# Altium PCB uTCA_MCH_PCB3.pcbdoc (part 16 of 25)
Units mil, origin at the board's own origin, x right, y up, seen from the top; angles counter-clockwise.
Board outline 7110.66 x 2894.12 mil, 12 copper layers (Top Layer, GND1, MidLayer1, PWR1, MidLayer2, GND2, PWR2, MidLayer3, GND3, MidLayer4, PWR3, Bottom Layer), stack 63.15 mil thick; 767 components, 905 nets, 4553 pads, 2832 vias.
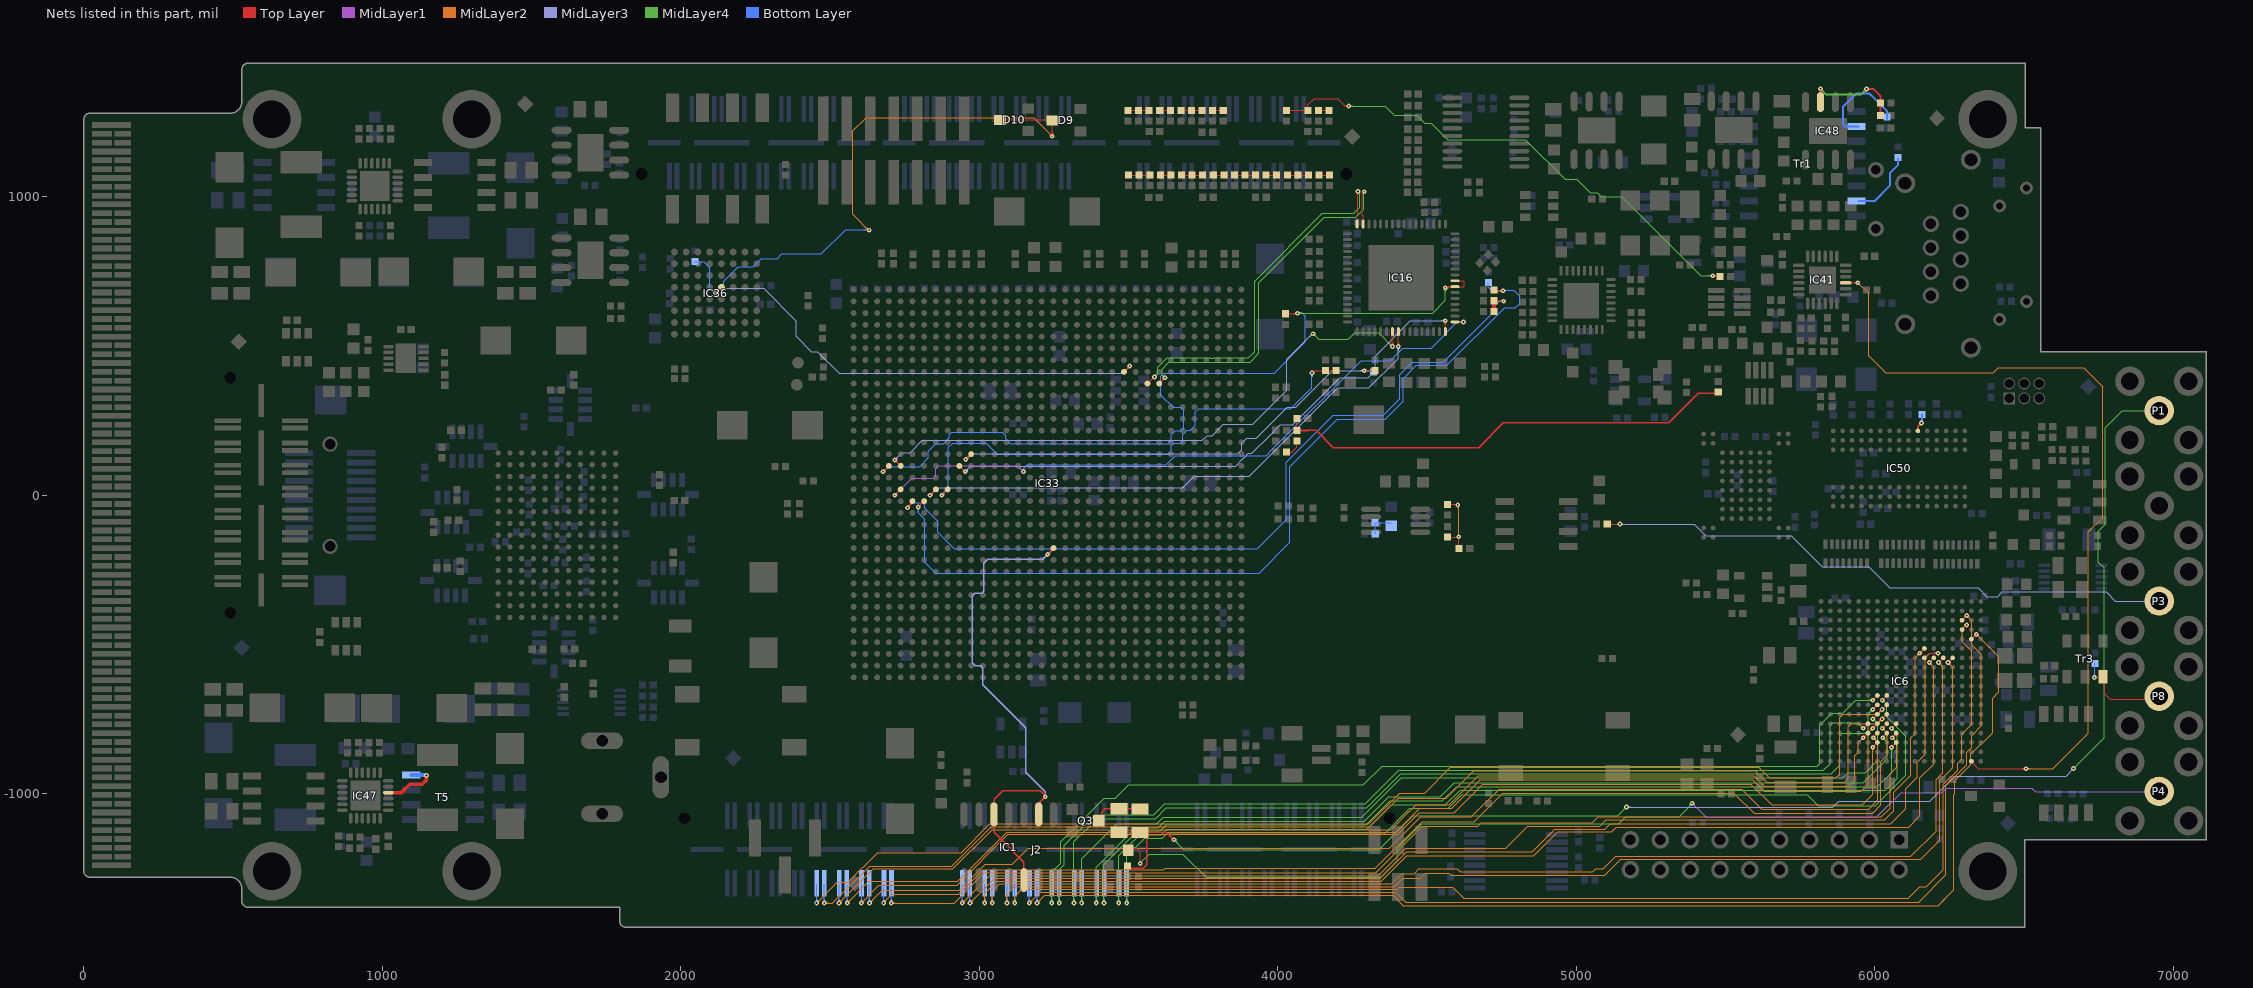
[diagram p26: the nets of this part, all layers, seen from the top]

## Via types
v1: diameter 15.75, hole 5.91, Top Layer to Bottom Layer, tented both sides, 2480 vias
v2: diameter 23.62, hole 11.81, Top Layer to Bottom Layer, tented both sides, 325 vias
v3: diameter 20, hole 10, Top Layer to Bottom Layer, tented both sides, 16 vias
v4: diameter 15.75, hole 7.87, Top Layer to Bottom Layer, tented both sides, 9 vias
v5: diameter 23.62, hole 11.81, Top Layer to Bottom Layer, 1 vias
v6: diameter 15.75, hole 5.91, Top Layer to Bottom Layer, 1 vias

## Nets (pads, with @x,y where several pads share a name; then routed paths per layer and width w, separated by ;. In a path a pad name is that pad's centre, name@x,y a point inside that pad or via, vN(x,y) a via of type N, cw(c..) or ccw(c..) an arc to the next point about the centre after c; other vN are vias at no path point) (continued)
NetIC47_22: IC47.22 T5.4 | length 214.4
  Top Layer w11.81: IC47.22@1019.68,-996.06 1064.13,-996.06 1091.69,-968.5 1133.31,-968.5 1147.64,-954.17 v1@1147.64,-942.91
  Bottom Layer w12.6: T5.4@1096.46,-936.81 v1@1145.47,-936.81 ; 1138.61,-936.81 cw(c1138.61,-948.01) v1@1146.52,-940.09
  other v1: 1147.64,-938.98
NetIC48_7: IC48.7 R236.2 R237.1 | length 412.5
  Top Layer w6.89: v1@5814.73,1358.48 cw(c5807.17,1350.92) 5817.86,1350.92 cw(c5828.55,1350.92) v1@5820.99,1358.48 ; IC48.7@5817.86,1317.19 v1(5817.86,1361.61) v1@5819.12,1362.87 ; v1(5971.79,1361.19) 5994.75,1361.19 6019.52,1336.42 6019.52,1310.16 R236.2@6018.17,1308.81 ; v1@5974.92,1358.06 cw(c5982.48,1350.5) 5982.48,1361.19 cw(c5982.48,1371.88) v1@5974.92,1364.32 ; R236.2@6016.84,1307.48 R236.2@6018.17,1308.81 ; R237.1@6018.17,1272.43 R236.2@6018.17,1308.81 ; R236.2@6018.17,1313.4 R236.2@6018.17,1308.81
  MidLayer4 w6.89: v1@5817.86,1357.18 cw(c5817.86,1346.49) 5825.42,1354.05 cw(c5832.98,1361.61) v1@5822.29,1361.61 ; v1(5817.86,1361.61) 5837.63,1341.84 5952.82,1341.84 v1@5971.85,1360.87 ; 5963.96,1352.98 ccw(c5955.75,1361.19) v1@5967.36,1361.19 ; 5964.88,1353.9 cw(c5971.79,1346.99) v1@5971.79,1356.76
NetIC50_K9: IC50.K9 R198.2 | length 92.6
  Top Layer w6.89: IC50.K9@6143.9,215.93 IC50.K9@6144.13,215.69 6144.13,230.13 v1(6156,242) ; v1@6151.57,242 cw(c6140.88,242) 6148.44,234.44 cw(c6156,226.88) v1@6156,237.57
  Bottom Layer w6.89: v1@6152.87,245.13 ccw(c6139.26,258.74) R198.2@6158.5,258.74 ; v1(6156,242) 6158.5,244.5 R198.2@6158.5,270.06
NetP1_1: P1.1 R42.2 R257.2 R258.2 | length 5046.5
  Top Layer w3.94: R42.2@3502.87,-1235 R42.2@3496.5,-1241.38 R42.2@3505.85,-1250.73 ; R257.2@3551.48,-1128.85 3552.28,-1129.65 R257.2@3561.29,-1138.66 ; 3560.62,-1233.06 3561.45,-1233.84 ; P1.1@6952.6,283.46 P1.1@6956.69,283.46
  Top Layer w4.92: R258.2@3468.19,-1128.85 R257.2@3551.48,-1128.85 ; R42.2@3500.45,-1250.05 3548.91,-1250.05 3561.29,-1237.67 R257.2@3561.29,-1138.66 ; R257.2@3538.43,-1129.65 3552.28,-1129.65 3626.1,-1129.65 v1@3651.37,-1154.92
  MidLayer1 w3.94: v1@5169,-1043 5169,-1045.04 v1@5172.45,-1041.59
  MidLayer4 w3.94: v1@3651.88,-1159.66 cw(c3651.88,-1173) 3661.31,-1163.56 ; v1@3657.48,-1153.54 3651.29,-1153.54 3684.94,-1187.19 4338.4,-1187.19 4452.59,-1073 5139,-1073 v1@5169,-1043 ; v1@3657.79,-1153.75 ccw(c3672.96,-1153.75) 3662.23,-1164.48 ; 5156.84,-1055.16 cw(c5168,-1066.31) v1@5168,-1050.54 ; 5158.36,-1053.64 ccw(c5149.36,-1044.63) v1@5162.09,-1044.63 ; v1(6665.44,-915.24) 6665.58,-915.1 6666.16,-915.1 6768.64,-812.62 6768.64,-243.5 6748.9,-223.76 6748.9,-120.14 6771.93,-97.11 6771.93,226.93 6828.46,283.46 P1.1@6952.6,283.46
  MidLayer3 w3.94: v1(5168,-1044.63) 5858.24,-1044.63 5878.51,-1024.36 6184.65,-1024.36 6267.82,-941.19 6640.48,-941.19 v1@6666.65,-915.02 ; v1@5172.18,-1048.81 cw(c5182.26,-1058.89) 5182.26,-1044.63 cw(c5182.26,-1030.37) v1@5172.18,-1040.45 ; P1.1@6937.74,284.72 P1.1@6939.47,286.45
  other v1: 3651.88,-1153.75
NetP3_1: P3.1 R28.2 | length 1969.3
  Top Layer w3.94: R28.2@5103.43,-95.84 5104.06,-96.47 v1(5146.49,-96.47)
  MidLayer3 w3.94: v1@5146.48,-97.22 5395.24,-97.22 5433.58,-135.56 5719.68,-135.56 5824.31,-240.19 5979.31,-240.19 6049.77,-310.65 6345.54,-310.65 6374.14,-339.25 6411.11,-339.25 6427.24,-323.12 6741.68,-323.12 6742.26,-323.7 6775.12,-323.7 6805.75,-354.33 P3.1@6952.6,-354.33
NetP4_1: P4.1 R41.2 | length 3793
  Top Layer w3.94: R41.2@3497.84,-1182.32 3526.17,-1182.32 3539.1,-1195.25 v1@3539.1,-1234.39
  MidLayer1 w3.94: v1@5387.8,-1037.4 cw(c5387.8,-1051.66) 5397.88,-1041.58 cw(c5407.96,-1031.5) v1@5393.7,-1031.5 ; v1(5387.8,-1031.5) 5434.85,-1078.55 6005.46,-1078.55 6087.93,-996.08 6224.59,-996.08 6239.9,-980.77 6526.23,-980.77 6539.18,-993.72 P4.1@6941.07,-993.72 ; P4.1@6948.47,-988 P4.1@6952.6,-992.13 ; P4.1@6948.82,-984.25 P4.1@6953.56,-989
  MidLayer4 w3.94: v1@3537.91,-1232.96 3568.99,-1201.88 3681.78,-1201.88 3759.43,-1279.53 4344.49,-1279.53 4399.61,-1224.41 4399.61,-1183.07 4481.96,-1100.72 5141.81,-1100.72 5164.82,-1077.71 5343.86,-1077.71 5387.8,-1033.77 v1(5387.8,-1031.5) ; 5376.1,-1045.47 ccw(c5362.13,-1031.5) v1@5381.89,-1031.5 ; 5381.6,-1039.97 cw(c5387.8,-1046.16) v1@5387.8,-1037.4 ; 5382.82,-1038.75 ccw(c5375.57,-1031.5) v1@5385.83,-1031.5
  other v1: 3538.62,-1233.87
NetQ3_3: Q3.3 R257.1 R258.1 | length 154.9
  Top Layer w4.92: Q3.3@3409.85,-1083.28 3409.85,-1061.27 3420.2,-1050.92 R258.1@3462.22,-1050.92 ; R258.1@3462.23,-1050.91 R257.1@3538.43,-1050.91
NetR21_2: R21.2 R24.2 R25.2 | length 89.8
  Bottom Layer w3.94: R25.2@4326.23,-129.2 4326.23,-93.98 4328.02,-92.19 R21.2@4380.01,-92.19
NetR23_1: R23.1 R26.2 R27.2 | length 218.9
  Top Layer w3.94: R27.2@4568.86,-140.27 4604.5,-140.27 v1(4605.62,-139.15) 4605.62,-175.56 R23.1@4606.39,-176.33 ; R26.2@4568.86,-30.59 4600.58,-30.59 v1(4602.55,-32.56)
  MidLayer2 w3.94: v1@4601.79,-31.03 4605.62,-34.86 v1(4605.62,-139.15)
NetR98_2: R98.2 R101.2 | length 33.5
  Top Layer w3.94: R101.2@3608.27,1072.84 R98.2@3641.73,1072.83
NetR99_2: R99.2 R103.2 | length 35.4
  Top Layer w3.94: R103.2@3781.5,1289.37 R99.2@3816.93,1289.37
NetR100_2: R100.2 R104.2 R106.1 | length 68.9
  Top Layer w3.94: R100.2@3501.97,1072.84 R104.2@3570.87,1072.83
NetR102_2: R102.2 R105.2 R107.1 | length 70.9
  Top Layer w3.94: R102.2@3675.2,1289.37 R105.2@3746.06,1289.37
NetR108_2: R108.2 R112.2 | length 31.5
  Top Layer w3.94: R112.2@3787.4,1072.84 R108.2@3818.9,1072.83
NetR109_2: R109.2 R113.2 | length 35.4
  Top Layer w3.94: R113.2@4137.8,1072.83 R109.2@4173.23,1072.83
NetR110_2: R110.2 R114.2 R116.1 | length 68.9
  Top Layer w3.94: R110.2@3679.13,1072.84 R116.1@3712.6,1072.83 R114.2@3748.03,1072.83
NetR111_2: R111.2 R115.2 R117.1 | length 70.9
  Top Layer w3.94: R111.2@4031.5,1072.83 R117.1@4066.93,1072.83 R115.2@4102.36,1072.83
NetR118_2: R118.2 R121.2 | length 35.4
  Top Layer w3.94: R121.2@3604.33,1289.37 3635.83,1289.37 R118.2@3639.76,1289.37
NetR119_2: R119.2 R123.2 | length 35.4
  Top Layer w3.94: R123.2@4135.83,1289.37 R119.2@4171.26,1289.37
NetR120_2: R120.2 R124.2 R126.1 | length 72.8
  Top Layer w3.94: R120.2@3498.03,1289.37 R126.1@3533.46,1289.37 R124.2@3570.87,1289.37
NetR122_2: R122.2 R125.2 R127.1 | length 1801.3
  Top Layer w3.94: R122.2@4029.53,1289.37 4062.99,1289.37 ; 4064.96,1289.37 R125.2@4096.46,1289.37
  Top Layer w4: R125.2@4100.39,1289.37 4100.39,1307.39 4122,1329 4201,1329 4226,1304 ; v1@4232.29,1300.68 ccw(c4226,1296.37) 4226,1304 ; v1@4232.29,1307.32 cw(c4226,1311.63) 4226,1304 ; v1(4237.14,1304) 4226,1304 ; v1(5457,735) 5480.04,735 R127.1@5481.5,733.54 ; v1@5461.15,730.85 cw(c5471.18,720.82) 5471.18,735 cw(c5471.18,749.18) v1@5461.15,739.15
  MidLayer4 w4: v1(4237.14,1304) 4359,1304 4390,1273 4466,1273 4492,1247 4513,1247 4568.73,1191.27 4829.46,1191.27 4962.49,1058.24 5001.94,1058.24 5047.09,1013.09 5069.91,1013.09 5083.08,999.92 5152.04,999.92 5416.96,735 v1(5457,735) ; v1@4241.29,1299.85 cw(c4251.32,1289.82) 4251.32,1304 cw(c4251.32,1318.18) v1@4241.29,1308.15 ; v1@5452.85,730.85 ccw(c5442.82,720.82) 5442.82,735 ccw(c5442.82,749.18) v1@5452.85,739.15
NetR130_2: R130.2 R133.2 | length 29.5
  Top Layer w3.94: R133.2@3966.54,1072.84 R130.2@3996.06,1072.83
NetR131_2: R131.2 R135.2 | length 59.5
  Top Layer w3.94: R131.2@4032.48,143.7 4046.26,143.7 4063.98,161.42 R135.2@4063.98,182.09
NetR132_2: R132.2 R136.2 R138.1 | length 70.9
  Top Layer w3.94: R132.2@3852.36,1072.84 R138.1@3889.76,1072.83 ; R138.1@3891.73,1072.84 R136.2@3925.2,1072.83
NetR134_2: R134.2 R137.2 R139.1 | length 1591.6
  Top Layer w3.94: R134.2@4062.83,259.8 4063.27,259.37 4063.27,216.69 4063.58,216.38 4103.94,216.38
  Top Layer w4.92: R137.2@4068.86,216.98 4128.74,216.98 4186.31,159.41 4672.73,159.41 4755.74,242.42 5309.91,242.42 5408.84,341.35 5470.7,341.35 R139.1@5475.26,345.91
NetR253_1: R253.1 Tr1.15 | length 228.7
  Bottom Layer w6.89: Tr1.15@5945.28,985.94 5999.24,985.94 6051.26,1037.96 6051.26,1080.2 6077.22,1106.16 R253.1@6077.22,1128.4
NetR254_1: R254.1 Tr1.10 | length 329.8
  Bottom Layer w6.89: Tr1.10@5945.28,1235.94 5899.93,1235.94 5892.75,1243.12 5892.75,1300.73 5937.6,1345.58 5981.92,1345.58 5998.08,1329.42 5998.39,1329.42 6040.27,1287.54 R254.1@6040.27,1261.02
NRST: IC6.U1 IC41.15 | length 2837
  Top Layer w3.94: IC41.15@5902.56,711.54 5942.54,711.54 v1(5943,712) ; 5927.64,711.54 ccw(c5927.64,727.36) v1@5938.82,716.18 ; 5929.84,711.54 cw(c5929.84,698.84) v1@5938.82,707.82 ; IC6.U1@6323.54,-893.17 6347.17,-916.79 v1@6507.33,-916.79 ; 6490.81,-916.79 ccw(c6490.81,-900.35) v1@6502.43,-911.97 ; 6493.89,-916.79 cw(c6493.89,-928.87) v1@6502.43,-920.33
  MidLayer2 w3.94: v1(5943,712) 5979,676 5979,467 6036,410 6396,410 6413,427 6699,427 6763,363 6763,-75 6715,-123 6715,-797.8 6596.65,-916.15 v1@6510.17,-916.15 ; v1@6510.79,-920.33 cw(c6520.87,-930.41) 6520.87,-916.15 cw(c6520.87,-901.89) v1@6510.79,-911.97
  other v1: 6506.61,-916.15
PB0: IC6.P12 J2.57 | length 4048.3
  Top Layer w3.94: v1(6213.31,-560.49) IC6.P12@6229.06,-544.74 ; v1@6213.31,-554.58 ccw(c6213.31,-540.33) 6223.39,-550.41 ccw(c6233.47,-560.49) v1@6219.21,-560.49
  MidLayer2 w3.94: v1@3039.13,-1361.96 ccw(c3029.04,-1351.88) 3043.3,-1351.88 ccw(c3057.56,-1351.88) v1@3047.48,-1361.96 ; v1(3043.3,-1366.14) 3043.3,-1326.78 3068.11,-1301.97 4381.1,-1301.97 4415.7,-1267.37 4456.27,-1267.37 4472.07,-1251.57 4601.21,-1251.57 4611.39,-1261.75 5055.51,-1261.75 5065.69,-1251.57 5089.65,-1251.57 5131.2,-1210.02 6121.03,-1210.02 6205.15,-1125.9 ; 6205,-1126.06 6205,-952.65 6228.25,-929.41 6228.25,-575.43 v1(6213.31,-560.49) ; v1@6213.31,-566.39 cw(c6213.31,-580.65) 6223.39,-570.57 cw(c6233.47,-560.49) v1@6219.21,-560.49
  Bottom Layer w3.94: v1@3039.13,-1361.96 ccw(c3029.41,-1352.25) 3043.15,-1352.25 ; v1@3043.15,-1365.99 J2.57@3043.15,-1303.74 ; 3043.15,-1351.51 ccw(c3057.93,-1351.51) v1@3047.48,-1361.96
PB1: IC6.T15 J2.53 | length 4259.7
  Top Layer w3.94: IC6.T15@6292.05,-450.25 v1(6307.78,-434.5) ; 6297.69,-444.61 ccw(c6287.59,-434.5) v1@6301.88,-434.5 ; 6297.72,-444.57 cw(c6307.78,-454.63) v1@6307.78,-440.41
  MidLayer2 w3.94: v1@3113.93,-1361.97 ccw(c3103.85,-1351.88) 3118.11,-1351.88 ccw(c3132.37,-1351.88) v1@3122.29,-1361.97 ; v1(3118.11,-1366.14) 3118.11,-1344.49 3142.2,-1320.39 4400.08,-1320.39 4406.45,-1314.02 4585.81,-1314.02 4622.7,-1350.91 6111.59,-1350.91 6151,-1311.5 6171.89,-1311.5 6229.36,-1254.03 6229.36,-968.36 6277.01,-920.71 6277.01,-898.37 6291.67,-883.71 6291.67,-800.66 6324.4,-767.93 6324.4,-522.11 6292.56,-490.27 6292.56,-447.81 ; 6292.86,-447.47 v1@6305.83,-434.5 ; 6294.36,-445.97 cw(c6307.78,-459.38) v1@6307.78,-440.41 ; 6299.08,-441.25 ccw(c6292.34,-434.5) v1@6301.88,-434.5 ; 6301.08,-439.25 cw(c6307.78,-445.94) v1@6307.78,-436.47
  Bottom Layer w3.94: v1@3113.93,-1361.97 ccw(c3103.85,-1351.88) 3118.11,-1351.88 ccw(c3132.37,-1351.88) v1@3122.29,-1361.97 ; v1(3118.11,-1366.14) J2.53@3118.11,-1303.74
PB2: IC6.R12 J2.55 | length 4030.3
  Top Layer w3.94: v1(6244.8,-560.49) IC6.R12@6260.55,-544.74 ; v1@6244.8,-554.58 ccw(c6244.8,-540.33) 6254.88,-550.41 ccw(c6264.97,-560.49) v1@6250.71,-560.49
  MidLayer2 w3.94: v1@3088.34,-1361.97 ccw(c3078.26,-1351.88) 3092.52,-1351.88 ccw(c3106.78,-1351.88) v1@3096.7,-1361.97 ; v1(3092.52,-1366.14) 3092.52,-1334.65 3115.98,-1311.18 4389.61,-1311.18 4418.18,-1282.61 4476.6,-1282.61 4493.2,-1266.01 4573.19,-1266.01 4580.46,-1273.28 5094.95,-1273.28 5102.14,-1266.09 5102.14,-1266.01 5149.15,-1219 6153.92,-1219 ; 6153.91,-1219.37 6217.34,-1155.94 6217.34,-956.97 6260.55,-913.76 6260.55,-576.24 v1(6244.8,-560.49) ; v1@6244.8,-566.39 cw(c6244.8,-580.65) 6254.88,-570.57 cw(c6264.97,-560.49) v1@6250.71,-560.49
  Bottom Layer w3.94: v1@3088.34,-1361.97 ccw(c3077.31,-1350.94) 3092.91,-1350.94 ; v1@3092.91,-1365.75 J2.55@3092.91,-1303.74 ; 3092.91,-1352.83 ccw(c3105.83,-1352.83) v1@3096.7,-1361.97
PB3: IC6.T16 J2.51 | length 4250.1
  Top Layer w3.94: IC6.T16@6292.05,-418.76 v1(6307.8,-403.01) ; v1@6301.89,-403.01 cw(c6287.63,-403.01) 6297.71,-413.09 cw(c6307.8,-423.17) v1@6307.8,-408.91
  MidLayer2 w3.94: v1(3167.32,-1366.14) 3204.07,-1329.39 3557.61,-1329.39 3557.83,-1329.61 4394.57,-1329.61 4428.33,-1363.37 4669.06,-1363.37 4669.24,-1363.18 4716.22,-1363.18 4716.4,-1363.37 6146.91,-1363.37 6238.16,-1272.12 6238.16,-973.16 6308.05,-903.28 6308.05,-860.37 6324,-844.42 6324,-805.22 6356.46,-772.76 6356.46,-532.48 6324,-500.02 6324,-419.21 v1(6307.8,-403.01) ; v1@3167.32,-1360.24 ccw(c3167.32,-1345.98) 3177.4,-1356.06 ccw(c3187.49,-1366.14) v1@3173.23,-1366.14 ; v1@6307.8,-408.91 cw(c6307.8,-423.17) 6317.88,-413.09 cw(c6327.96,-403.01) v1@6313.7,-403.01
  Bottom Layer w3.94: v1@3163.15,-1361.97 ccw(c3151.73,-1350.55) 3167.87,-1350.55 ; v1@3167.87,-1365.59 J2.51@3167.87,-1303.74 ; 3167.87,-1353.22 ccw(c3180.25,-1353.22) v1@3171.5,-1361.97
PB4: IC6.N12 J2.59 | length 3986.5
  Top Layer w3.94: v1(6181.81,-560.49) IC6.N12@6197.56,-544.74 ; v1@6181.81,-554.58 ccw(c6181.81,-540.33) 6191.89,-550.41 ccw(c6201.97,-560.49) v1@6187.72,-560.49
  MidLayer2 w3.94: v1@3013.53,-1361.96 ccw(c3003.45,-1351.88) 3017.71,-1351.88 ccw(c3031.97,-1351.88) v1@3021.89,-1361.96 ; v1(3017.71,-1366.14) 3017.71,-1332.68 3057.64,-1292.76 4346.26,-1292.76 4430.98,-1208.03 4856.94,-1208.03 4937.19,-1127.78 4946.73,-1127.78 ; 4946.9,-1127.95 5118.02,-1127.95 5133.77,-1112.2 6112.8,-1112.2 6151,-1074 6151,-946.75 6196.75,-901 6196.75,-575.43 v1(6181.81,-560.49) ; v1@6181.81,-566.39 cw(c6181.81,-580.65) 6191.89,-570.57 cw(c6201.97,-560.49) v1@6187.72,-560.49
  Bottom Layer w3.94: v1@3013.53,-1361.96 ccw(c3002.87,-1351.3) 3017.95,-1351.3 ; v1@3017.95,-1365.9 J2.59@3017.95,-1303.74 ; 3017.95,-1352.47 ccw(c3031.38,-1352.47) v1@3021.89,-1361.96
PB5: IC6.M12 J2.61 | length 4034.3
  Top Layer w3.94: IC6.M12@6166.06,-544.74 6181.81,-528.99 v1(6211.33,-528.99)
  MidLayer2 w3.94: v1(2968.5,-1366.14) 3051.1,-1283.54 4342.44,-1283.54 4430.92,-1195.06 4852.22,-1195.06 4927.73,-1119.55 4950.13,-1119.55 ; v1@2968.5,-1360.24 ccw(c2968.5,-1345.98) 2978.59,-1356.06 ccw(c2988.67,-1366.14) v1@2974.41,-1366.14 ; 4950.31,-1119.72 5094.86,-1119.72 5114.19,-1100.39 6053.61,-1100.39 6103,-1051 6103,-983 6141.46,-944.54 6141.46,-894.57 6168.03,-868 6168.03,-545.84 6184.65,-529.23 6198.19,-529.23 ; 6192.18,-528.99 v1(6211.33,-528.99) ; v1@6207.15,-533.17 ccw(c6197.07,-543.25) 6197.07,-528.99 ccw(c6197.07,-514.73) v1@6207.15,-524.82
  Bottom Layer w3.94: v1@2964.33,-1361.97 ccw(c2955.01,-1352.65) 2968.19,-1352.65 ; v1@2968.19,-1365.83 J2.61@2968.19,-1303.74 ; 2968.19,-1351.12 ccw(c2983.52,-1351.12) v1@2972.68,-1361.97
PB6: IC6.U14 J2.49 | length 4273.6
  Top Layer w3.94: IC6.U14@6323.54,-481.75 v1@6339.29,-466 ; IC6.U14@6328.71,-476.58 cw(c6340,-487.87) v1@6340,-471.91 ; 6330.42,-474.87 ccw(c6321.55,-466) v1@6334.09,-466
  MidLayer2 w3.94: v1(3192.91,-1366.14) 3218.49,-1340.55 4385.83,-1340.55 4420.28,-1375 6211.61,-1375 6264.42,-1322.19 6264.42,-1003.66 6267.49,-1000.59 6267.49,-956.51 6321.96,-902.04 6321.96,-867.87 6394.42,-795.41 6394.42,-679.95 6415.37,-659 6415.37,-541.36 6352.8,-478.79 ; v1@3192.91,-1360.23 ccw(c3192.91,-1345.98) 3202.99,-1356.06 ccw(c3213.07,-1366.14) v1@3198.81,-1366.14 ; 6224.41,-1362.2 6243.31,-1343.31 ; v1@6340,-471.91 cw(c6340,-486.16) 6350.08,-476.08 cw(c6360.16,-466) v1@6345.91,-466 ; v1(6340,-466) 6356.02,-482.02
  Bottom Layer w3.94: v1@3188.73,-1361.96 ccw(c3178.25,-1351.49) 3193.07,-1351.49 ; v1@3193.07,-1365.98 J2.49@3193.07,-1303.74 ; 3193.07,-1352.28 ccw(c3206.77,-1352.28) v1@3197.08,-1361.96
PB7: IC6.M13 J2.63 | length 3986.5
  Top Layer w3.94: v1(6150.31,-528.99) IC6.M13@6166.06,-513.24 ; v1@6150.31,-523.09 ccw(c6150.31,-508.83) 6160.4,-518.91 ccw(c6170.48,-528.99) v1@6156.22,-528.99
  MidLayer2 w3.94: v1(2942.91,-1366.14) 3034.72,-1274.33 4335.91,-1274.33 4427.78,-1182.46 4763.4,-1182.46 4837.59,-1108.27 5078.6,-1108.27 5100.26,-1086.61 6033.39,-1086.61 6062.72,-1057.28 6062.72,-995.28 6120.5,-937.5 6120.5,-813.07 6134.57,-799 6134.57,-544.74 v1(6150.31,-528.99) ; v1@2942.91,-1360.24 ccw(c2942.91,-1345.98) 2952.99,-1356.06 ccw(c2963.08,-1366.14) v1@2948.82,-1366.14 ; v1@6144.41,-528.99 cw(c6130.15,-528.99) 6140.23,-539.07 cw(c6150.31,-549.15) v1@6150.31,-534.9
  Bottom Layer w3.94: v1@2938.74,-1361.97 ccw(c2928.46,-1351.69) 2942.99,-1351.69 ; v1@2942.99,-1366.06 J2.63@2942.99,-1303.74 ; 2942.99,-1352.08 ccw(c2956.98,-1352.08) v1@2947.09,-1361.97
PE0: IC6.G4 J2.69 | length 3978.3
  Top Layer w3.94: v1@5992.84,-812.45 IC6.G4@6008.58,-796.71 ; v1@5994.79,-806.55 ccw(c5994.79,-797.01) 6001.54,-803.76 ; v1@5996.76,-812.45 cw(c6006.23,-812.45) 5999.53,-805.76 ; v1@6000.7,-812.45 cw(c6019.67,-812.45) IC6.G4@6006.25,-799.04
  MidLayer2 w3.94: v1(2631.88,-1366.14) 2675.19,-1322.83 2933.07,-1322.83 3019.69,-1236.22 3110.24,-1236.22 3163.39,-1183.07 3870.36,-1183.07 ; v1@2631.88,-1360.23 ccw(c2631.88,-1345.98) 2641.97,-1356.06 ccw(c2652.05,-1366.14) v1@2637.79,-1366.14 ; 3870.54,-1183.25 4373.84,-1183.25 4479.37,-1077.72 4648.66,-1077.72 4742.13,-984.25 5554.33,-984.25 5621.24,-1051.16 5978.84,-1051.16 6010,-1020 6010,-827.66 v1(5994.79,-812.45) ; v1@5994.79,-818.36 cw(c5994.79,-832.62) 6004.87,-822.54 cw(c6014.95,-812.45) v1@6000.7,-812.45
  Bottom Layer w3.94: v1@2627.71,-1361.96 ccw(c2620.85,-1355.1) 2630.55,-1355.1 ; v1@2630.55,-1364.81 J2.69@2630.55,-1303.74 ; 2630.55,-1358.17 ccw(c2639.86,-1358.17) v1@2633.28,-1364.75 ; 2630.55,-1348.66 ccw(c2649.36,-1348.66) v1@2636.06,-1361.96
PE1: IC6.F4 J2.75 | length 3930.6
  Top Layer w3.94: v1(5961.34,-812.46) IC6.F4@5977.09,-796.71 ; v1@5961.34,-806.55 ccw(c5961.34,-792.29) 5971.42,-802.38 ccw(c5981.5,-812.46) v1@5967.24,-812.46
  MidLayer2 w3.94: v1(2529.53,-1366.14) 2643.7,-1251.97 2767.66,-1251.97 ; v1@2529.53,-1360.24 ccw(c2529.53,-1345.98) 2539.61,-1356.06 ccw(c2549.69,-1366.14) v1@2535.43,-1366.14 ; 2767.84,-1251.79 2779.4,-1251.79 ; 2779.58,-1251.97 2824.75,-1251.97 ; 2824.93,-1251.79 2836.49,-1251.79 ; 2836.67,-1251.97 2911.42,-1251.97 3043.31,-1120.08 4379.92,-1120.08 4440.94,-1059.06 4441.03,-1059.06 4463.65,-1036.44 4574.48,-1036.44 4671.94,-938.98 5593.98,-938.98 5630,-975 5913,-975 5932.57,-955.43 5932.57,-872.25 5944.2,-860.62 5944.2,-829.59 v1(5961.34,-812.46) ; v1@5955.43,-812.46 cw(c5941.18,-812.46) 5951.26,-822.54 cw(c5961.34,-832.62) v1@5961.34,-818.36
  Bottom Layer w3.94: v1@2525.35,-1361.97 ccw(c2513.18,-1349.79) 2530.39,-1349.79 ; v1@2530.39,-1365.27 J2.75@2530.39,-1303.74 ; 2530.39,-1353.98 ccw(c2541.69,-1353.98) v1@2533.7,-1361.97
PE2: IC6.G5 J2.73 | length 3983.6
  Top Layer w3.94: v1(5992.82,-780.96) IC6.G5@6008.58,-765.21 ; v1@5992.82,-775.05 ccw(c5992.82,-760.8) 6002.9,-770.88 ccw(c6012.99,-780.96) v1@5998.73,-780.96
  MidLayer2 w3.94: v1(2557.09,-1366.14) 2629.92,-1293.31 2926.88,-1293.31 3051.36,-1168.83 ; v1@2557.09,-1360.24 ccw(c2557.09,-1345.98) 2567.17,-1356.06 ccw(c2577.25,-1366.14) v1@2562.99,-1366.14 ; 3051.64,-1168.83 3092.17,-1128.31 4395.31,-1128.31 4474.8,-1048.82 4582.47,-1048.82 4678.53,-952.76 5590.76,-952.76 5629.5,-991.5 5954.5,-991.5 5977.39,-968.61 5977.39,-796.39 v1(5992.82,-780.96) ; v1@5986.92,-780.96 cw(c5972.66,-780.96) 5982.74,-791.04 cw(c5992.82,-801.12) v1@5992.82,-786.86
  Bottom Layer w3.94: v1@2552.91,-1361.97 ccw(c2542.83,-1351.88) 2557.09,-1351.88 ccw(c2571.34,-1351.88) v1@2561.26,-1361.97 ; v1(2557.09,-1366.14) J2.73@2557.09,-1305.24
PE3: IC6.F5 J2.45 | length 3307
  Top Layer w3.94: v1(5961.33,-780.96) IC6.F5@5977.09,-765.21 ; v1@5961.33,-775.05 ccw(c5961.33,-760.76) 5971.43,-770.87 ; v1@5967.23,-780.96 cw(c5981.46,-780.96) 5971.4,-770.9
  MidLayer4 w3.94: v1@3263.54,-1361.97 ccw(c3253.46,-1351.88) 3267.72,-1351.88 ccw(c3281.97,-1351.88) v1@3271.89,-1361.97 ; v1@3268.7,-1367.13 3267.72,-1368.11 v1(3267.72,-1366.14) 3267.72,-1255.28 3285,-1238 3285,-1172.57 3388,-1069.57 3584.52,-1069.57 3620.22,-1033.87 4292.65,-1033.87 4405.26,-921.26 5827.74,-921.26 5850,-899 5850,-784.4 5850.11,-784.29 5850.11,-769.89 5857,-763 5943.37,-763 v1(5961.33,-780.96) ; v1@5955.42,-780.96 ccw(c5941.16,-780.96) 5951.25,-770.88 ccw(c5961.33,-760.8) v1@5961.33,-775.05